# Altium PCB Spectre.PcbDoc (part 2 of 2)
Units mm, origin at the board's own origin, x right, y up, seen from the top; angles counter-clockwise.
Board outline 94.09 x 51.29 mm, 4 copper layers (Top Layer, GND, PWR, Bottom Layer), stack 1.641 mm thick; 154 components, 117 nets, 483 pads, 271 vias.
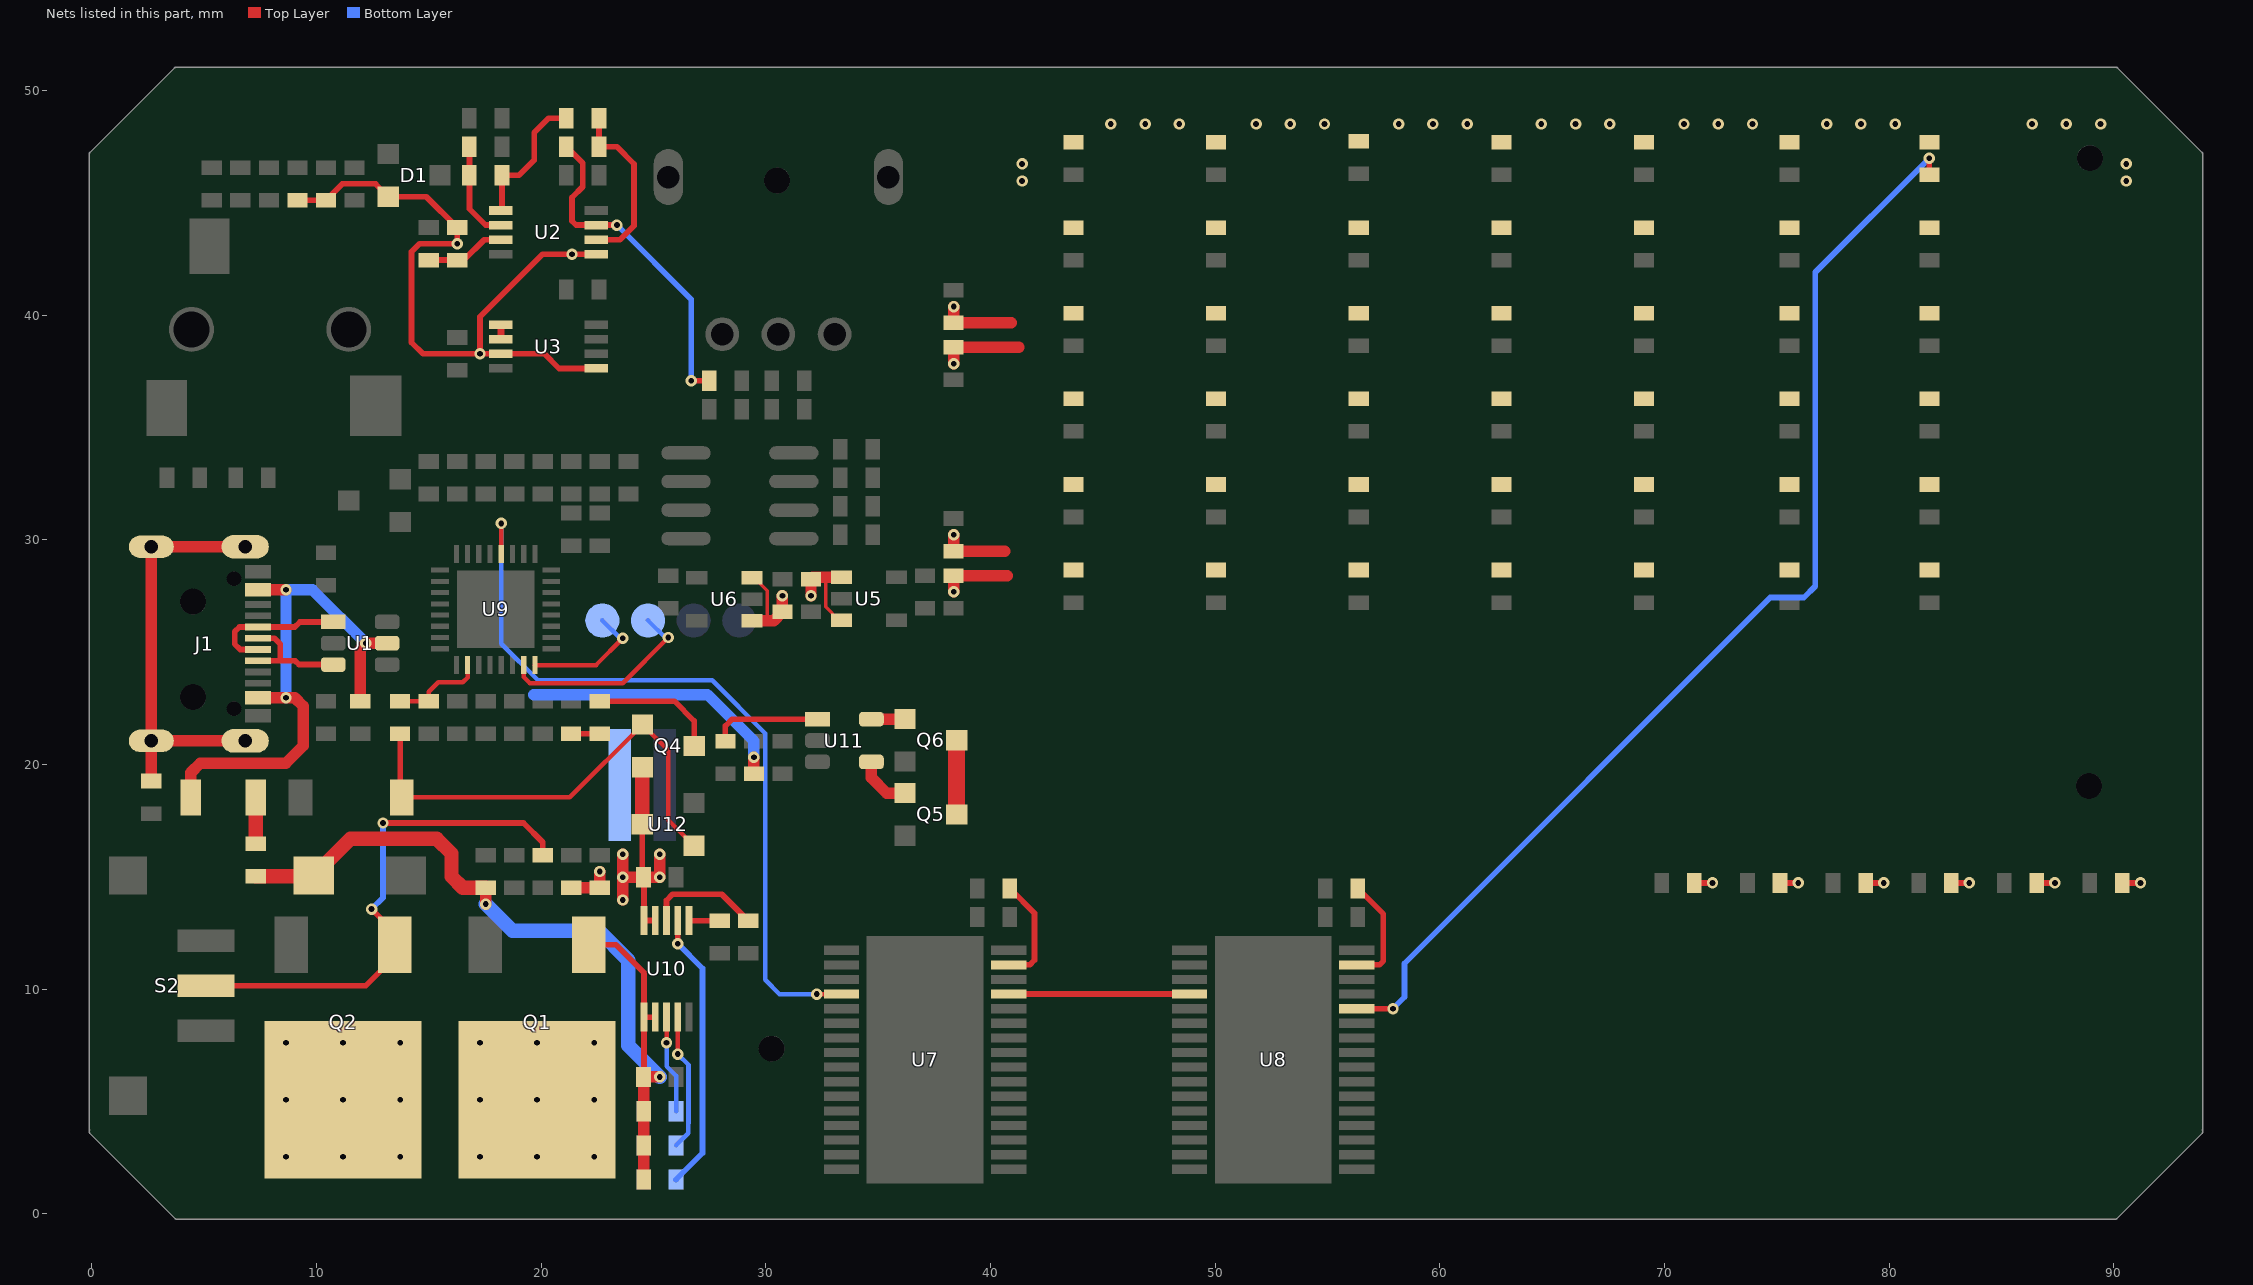
[diagram p4: the nets of this part, all layers, seen from the top]

## Via types
v1: diameter 0.508, hole 0.254, Top Layer to Bottom Layer, tented both sides, 253 vias
v2: diameter 0.508, hole 0.254, Top Layer to Bottom Layer, tented bottom, 18 vias

## Nets (pads, with @x,y where several pads share a name; then routed paths per layer and width w, separated by ;. In a path a pad name is that pad's centre, name@x,y a point inside that pad or via, vN(x,y) a via of type N, cw(c..) or ccw(c..) an arc to the next point about the centre after c; other vN are vias at no path point) (continued)
NetD61_2: D61.2 U8.28 | length 51
  Top Layer w0.254: U8.28@56.298,9.133 v1(57.912,9.133) ; D61.2@81.788,46.258 v1(81.788,46.99)
  Bottom Layer w0.254: v1(57.912,9.133) 57.912,9.144 58.42,9.652 58.42,11.147 74.705,27.432 76.2,27.432 76.708,27.94 76.708,41.91 v1(81.788,46.99)
NetD62_1: D62.1 R34.1 | length 1.3
  Top Layer w0.254: D62.1@21.32,21.38 21.327,21.373 R34.1@22.606,21.373
NetF1_2: F1.2 FB1.1 | length 2.1
  Top Layer w0.635: FB1.1@7.292,16.473 F1.2@7.292,18.542
NetJ1_1: J1.1 J1.2 J1.3 J1.4 R16.2 | length 18.8
  Top Layer w0.508: R16.2@2.642,19.267 J1.3@2.642,21.055 ; J1.4@6.822,21.055 J1.3@2.642,21.055 ; J1.1@6.822,29.695 J1.2@2.642,29.695 J1.3@2.642,21.055
NetQ2_1: Q2.1 R20.1 S2.2 | length 22.6
  Top Layer w0.254: S2.2@5.08,10.16 12.192,10.16 13.476,11.444 Q2.1@13.476,11.98 ; v1(12.446,13.567) 13.138,12.875 Q2.1@13.138,12.824 ; v1(12.954,17.399) 19.211,17.399 20.066,16.544 R20.1@20.066,15.965
  Bottom Layer w0.254: v1(12.446,13.567) 12.954,14.075 v1(12.954,17.399)
NetQ4_2: Q4.2 R34.2 | length 5.7
  Top Layer w0.254: R34.2@22.606,22.823 25.925,22.823 26.804,21.944 Q4.2@26.804,20.828
NetQ5_1: Q5.1 U11.4 | length 2.5
  Top Layer w0.508: U11.4@34.694,20.119 34.694,19.408 35.372,18.73 Q5.1@36.188,18.73
NetQ5_2: Q5.2 Q6.2 | length 3.3
  Top Layer w0.75: Q5.2@38.488,17.78 Q6.2@38.488,21.082
NetQ6_1: Q6.1 U11.5 | length 1.5
  Top Layer w0.508: U11.5@34.694,22.019 36.175,22.019 Q6.1@36.188,22.032
NetR2_1: R2.1 R3.2 U2.2 | length 4.5
  Top Layer w0.254: R2.1@16.801,47.498 R3.2@16.801,46.228 16.801,44.734 17.522,44.013 U2.2@18.2,44.013
NetR3_1: R3.1 R11.2 U2.1 | length 6.2
  Top Layer w0.254: U2.1@18.2,44.663 18.251,44.714 R3.1@18.251,46.228 19.008,46.228 19.685,46.905 19.685,48.133 20.32,48.768 R11.2@21.119,48.768
NetR6_1: R6.1 R7.2 U2.7 | length 15
  Top Layer w0.254: R6.1@21.119,47.498 21.844,46.773 21.844,45.72 21.367,45.243 21.367,44.196 21.55,44.013 U2.7@22.44,44.013 v1(23.368,44.013) ; v1(26.67,37.084) R7.2@27.469,37.084
  Bottom Layer w0.254: v1(23.368,44.013) 26.67,40.711 v1(26.67,37.084)
NetR6_2: R6.2 R11.1 U2.6 | length 7.8
  Top Layer w0.254: U2.6@22.44,43.363 23.505,43.363 24.13,43.988 24.13,46.736 23.368,47.498 R6.2@22.569,47.498 R11.1@22.569,48.768
NetR8_1: R8.1 R13.1 U2.3 | length 3.6
  Top Layer w0.254: R13.1@14.986,42.455 R8.1@16.256,42.455 16.552,42.455 17.46,43.363 U2.3@18.2,43.363
NetR26_1: R26.1 U10.3 | length 4.4
  Top Layer w0.203: v1(25.575,7.62) U10.3@25.575,8.758
  Bottom Layer w0.203: v1(25.575,7.62) 25.575,6.566 25.998,6.143 R26.1@25.998,4.572
NetR27_1: R27.1 U10.4 | length 6.2
  Top Layer w0.203: v1(26.075,7.112) 26.058,7.129 26.075,7.147 U10.4@26.075,8.758
  Bottom Layer w0.203: R27.1@25.998,3.048 26.547,3.597 26.547,4.022 26.552,4.027 26.552,6.635 v1(26.075,7.112)
NetR28_1: R28.1 U10.8 | length 5.1
  Top Layer w0.254: U10.8@25.575,13.058 25.575,13.956 25.843,14.224 28.03,14.224 R28.1@29.21,13.044
NetR29_1: R29.1 U10.7 | length 12.5
  Top Layer w0.254: v1(26.075,12.03) U10.7@26.075,13.058
  Bottom Layer w0.254: R29.1@25.998,1.524 27.178,2.704 27.178,10.927 v1(26.075,12.03)
NetR30_1: R30.1 U10.6 | length 1.4
  Top Layer w0.254: U10.6@26.575,13.058 26.589,13.044 R30.1@27.94,13.044
NetR32_2: R32.2 U7.31 | length 4.9
  Top Layer w0.254: U7.31@40.804,11.083 41.741,11.083 41.953,11.294 41.953,13.382 R32.2@40.857,14.478
NetR33_2: R33.2 U8.31 | length 4.9
  Top Layer w0.254: U8.31@56.298,11.083 57.311,11.083 57.485,11.257 57.485,13.344 R33.2@56.351,14.478
NetR35_1: R35.1 U11.1 | length 4.9
  Top Layer w0.254: R35.1@28.194,21.045 28.194,21.721 28.492,22.019 U11.1@32.294,22.019
NetU3_1: U3.1 U3.2 | length 0.7
  Top Layer w0.305: U3.2@18.2,38.933 U3.1@18.2,39.583
RESET: C20.2 R25.1 U9.26 | length 4.3
  Top Layer w0.203: R25.1@13.702,22.823 C20.2@14.986,22.823 14.986,23.241 15.412,23.667 16.51,23.667 16.719,23.876 U9.26@16.719,24.429
RST_IN: Q4.1 R25.2 S1.2 U12.1 | length 21.3
  Top Layer w0.203: S1.2@13.702,18.622 S1.2@13.782,18.542 21.268,18.542 Q4.1@24.504,21.778 25.652,20.63 25.652,17.533 U12.1@26.797,16.388
  Top Layer w0.254: S1.2@13.702,18.622 13.716,18.636 R25.2@13.716,21.373
SER_D0: U7.4 U9.12 | length 34.7
  Top Layer w0.203: U9.12@18.219,29.379 v1(18.219,30.734) ; v1(32.258,9.783) U7.4@33.364,9.783
  Bottom Layer w0.203: v1(18.219,30.734) 18.219,25.381 19.851,23.749 27.604,23.749 29.972,21.381 29.972,10.414 30.603,9.783 v1(32.258,9.783)
SER_D1: U7.29 U8.4 | length 8.1
  Top Layer w0.254: U7.29@40.804,9.783 U8.4@48.858,9.783
SWCLK: pad.2@24.75,26.414 U9.31 | length 9.1
  Top Layer w0.203: U9.31@19.219,24.429 19.219,23.898 19.495,23.622 23.622,23.622 v1(25.654,25.654)
  Bottom Layer w0.203: pad.2@24.75,26.414 25.51,25.654 v1(25.654,25.654)
SWDIO: pad.2@22.718,26.414 U9.32 | length 5.7
  Top Layer w0.203: U9.32@19.719,24.429 22.437,24.429 v1(23.632,25.625)
  Bottom Layer w0.203: pad.2@22.718,26.414 23.507,25.625 v1(23.632,25.625)
USB_D_MINUS: J1.A7 J1.B7 U1.1 | length 6.3
  Top Layer w0.254: J1.A7@7.397,25.125 6.597,25.125 6.35,25.372 6.35,25.908 6.567,26.125 J1.B7@7.397,26.125 9.029,26.125 9.255,26.35 U1.1@10.738,26.35
USB_D_PLUS: J1.A6 J1.B6 U1.3 | length 5.3
  Top Layer w0.254: J1.B6@7.397,24.625 8.382,24.625 ; J1.A6@7.397,25.625 8.128,25.625 8.382,25.371 8.382,24.625 ; U1.3@10.738,24.45 9.217,24.45 9.043,24.625 8.382,24.625
USB_VDD: D5.2 F1.1 J1.A4_B9 J1.B4_A9 U1.5 | length 24.7
  Top Layer w0.508: F1.1@4.392,18.542 4.392,19.632 4.826,20.066 8.636,20.066 9.398,20.828 9.398,22.606 9.029,22.975 v1(8.636,22.975) J1.B4_A9@7.397,22.975 ; J1.A4_B9@7.397,27.775 v1(8.636,27.775) ; D5.2@11.938,22.823 11.938,25.146 v1(12.192,25.4) U1.5@13.138,25.4
  Bottom Layer w0.508: v1(8.636,22.975) v1(8.636,27.775) 9.817,27.775 v1(12.192,25.4)
V_REF: D1.2 R1.2 R5.1 R8.2 U2.5 U3.3 U3.5 | length 31.8
  Top Layer w0.254: R1.2@9.144,45.122 R5.1@10.414,45.122 11.139,45.847 12.625,45.847 D1.2@13.194,45.278 14.883,45.278 R8.2@16.256,43.905 v1(16.256,43.18) 14.577,43.18 14.224,42.827 14.224,38.791 14.732,38.283 v1(17.272,38.283) ; U3.5@22.44,37.633 20.795,37.633 20.145,38.283 U3.3@18.2,38.283 v1(17.272,38.283) ; U2.5@22.44,42.713 v1(21.367,42.713) 20.054,42.713 17.272,39.931 v1(17.272,38.283)
V_UNREG: C12.2 C18.2 C22.2 C23.2 C25.2 C26.2 D4.2 D11.1 D12.1 D13.1 D14.1 D15.1 D16.1 D17.1 D18.1 D19.1 D20.1 D22.1 D23.1 D24.1 D25.1 D26.1 D27.1 D29.1 D30.1 D31.1 D32.1 D34.1 D35.1 D36.1 D37.1 D38.1 D39.1 D40.1 D41.1 D42.1 D43.1 D44.1 D45.1 D46.1 D47.1 D48.1 D49.1 D50.1 D51.1 D52.1 D53.1 D54.1 D55.1 D56.1 D57.1 D58.1 D59.1 D60.1 D61.1 Q2.2 R22.2 U5.1 U5.3 U6.1 U6.3 | length 28.8
  Top Layer w0.152: U6.3@29.376,28.306 29.488,28.306 30.054,27.74 30.054,26.488 29.972,26.406 ; 32.726,28.331 32.657,28.262 32.657,27.023 33.25,26.431 U5.3@33.362,26.431
  Top Layer w0.254: D49.1@71.33,14.732 v1(72.136,14.732) ; D47.1@75.14,14.732 v1(75.946,14.732) ; D45.1@78.95,14.732 v1(79.756,14.732) ; D43.1@82.76,14.732 v1(83.566,14.732) ; D41.1@86.57,14.732 v1(87.376,14.732) ; D39.1@90.38,14.732 v1(91.186,14.732)
  Top Layer w0.508: R22.2@21.32,14.499 R22.2@21.336,14.515 D4.2@22.606,14.515 v1(22.606,15.24) ; U6.1@29.376,26.406 29.972,26.406 30.346,26.406 C18.2@30.734,26.794 v1(30.734,27.519) ; v1(32.004,27.519) C12.2@32.004,28.244 32.091,28.331 32.726,28.331 U5.1@33.362,28.331 ; v1(38.354,27.686) C22.2@38.354,28.411 40.737,28.411 ; v1(38.354,30.226) C23.2@38.354,29.501 40.63,29.501 ; v1(38.354,37.846) C26.2@38.354,38.571 41.266,38.571 ; v1(38.354,40.386) C25.2@38.354,39.661 40.923,39.661
  other v1: 41.402,45.974 90.551,45.974 41.402,46.736 90.551,46.736 45.354,48.514 46.878,48.514 48.402,48.514 51.816,48.514 53.34,48.514 54.864,48.514 58.166,48.514 59.69,48.514 61.214,48.514 64.516,48.514 66.04,48.514 67.564,48.514 70.866,48.514 72.39,48.514 73.914,48.514 77.216,48.514 78.74,48.514 80.264,48.514 86.36,48.514 87.884,48.514 89.408,48.514
  other v2: 8.636,2.54 11.176,2.54 13.716,2.54 8.636,5.08 11.176,5.08 13.716,5.08 8.636,7.62 11.176,7.62 13.716,7.62
VBAT: C27.2 J3.1 Q1.2 Q4.3 R31.2 U10.9 U10.10 U12.3 | length 24.2
  Top Layer w0.254: U12.3@24.497,17.338 24.497,15.037 C27.2@24.548,14.986 24.575,14.959 U10.10@24.575,13.058 U10.9@25.075,13.058
  Top Layer w0.508: v1(23.622,13.97) v1(23.622,14.986) ; v1(23.622,16.002) v1(23.622,14.986) ; Q4.3@24.497,19.885 Q4.3@24.504,19.878 ; v1(25.273,16.002) v1(25.273,14.986) C27.2@24.548,14.986 v1(23.622,14.986) ; R31.2@29.464,19.595 v1(29.464,20.32)
  Top Layer w0.635: U12.3@24.497,17.338 24.497,19.871 Q4.3@24.504,19.878
  Bottom Layer w0.508: 19.66,23.114 27.395,23.114 29.464,21.045 v1(29.464,20.32)
  other v2: 17.272,2.54 19.812,2.54 22.352,2.54 17.272,5.08 19.812,5.08 22.352,5.08 17.272,7.62 19.812,7.62 22.352,7.62
VBUS: C28.2 D7.1 D21.1 D28.1 D33.1 FB1.2 Q1.1 R21.2 U10.1 U10.2 | length 39.7
  Top Layer w0.254: Q1.1@22.112,11.98 23.326,11.98 24.575,10.731 U10.1@24.575,8.758 ; C28.2@24.548,6.096 24.575,6.123 U10.1@24.575,8.758 ; U10.2@25.075,8.758 U10.1@24.575,8.758
  Top Layer w0.508: v1(17.526,13.79) R21.2@17.526,14.515 ; D33.1@24.555,1.524 D28.1@24.555,3.048 D21.1@24.555,4.572 24.555,6.089 C28.2@24.548,6.096 v1(25.273,6.096)
  Top Layer w0.635: FB1.2@7.292,15.023 9.833,15.023 D7.1@9.87,15.06 11.51,16.699 15.341,16.699 16.002,16.039 16.002,15.015 16.502,14.515 R21.2@17.526,14.515
  Bottom Layer w0.635: v1(17.526,13.79) 18.716,12.6 22.569,12.6 23.876,11.293 23.876,7.493 v1(25.273,6.096)
pads on no net: J1. J1.A8 J1.B8 J2. J2.2 R4. S2.3 S2.P$1 S2.P$2 U8.29 U9.4 U9.6 U9.10 U9.14 U9.15 U9.16 U9.17 U9.19 U9.20 U9.21 U9.22 U9.25 U9.27 U9.28

## Polygon pours and split planes (outlines as drawn)
GND on Bottom Layer "GND Bottom Layer" (solid, pour order 25): -0.09,3.581 cw(c0,3.671) -0.107,3.741 cw(c0,3.81) -0.127,3.81 -0.127,47.157 cw(c0,47.157) -0.09,47.247 3.671,51.008 3.67,51.007 cw(c3.761,50.918) 3.761,51.045 90.074,51.045 cw(c90.074,50.918) 90.165,51.007 90.164,51.008 93.925,47.247 cw(c93.835,47.157) 93.962,47.157 93.962,3.81 cw(c93.835,3.81) 93.942,3.741 cw(c93.835,3.671) 93.962,3.671 cw(c93.835,3.671) 93.925,3.581 90.136,-0.208 90.136,-0.207 cw(c90.046,-0.118) 90.046,-0.245 3.803,-0.245 cw(c3.803,-0.118) 3.796,-0.245 cw(c3.789,-0.118) 3.699,-0.208
VBAT on Bottom Layer "Bottom Layer-VBAT" (solid, remove dead copper, pour order 4): 24.892,21.721 24.892,23.368 15.052,23.368 13.208,21.524 13.208,9.398 15.24,7.366 15.24,0 29.21,0 29.21,15.24 27.076,15.24 25.806,16.51 24.892,16.51
BAT- on Bottom Layer "Bottom Layer-BAT-" (solid, remove dead copper, pour order 6): 24.892,22.86 24.929,22.823 27.395,22.823 27.395,22.766 29.21,20.951 29.21,15.24 27.076,15.24 25.806,16.51 24.892,16.51
V_UNREG on PWR "PWR-V_UNREG" (solid, remove dead copper, pour order 16): 3.852,0 0.042,3.81 0.042,19.812 22.538,19.812 25.549,22.823 29.742,22.823 29.742,50.8 89.801,51.007 93.835,47.157 93.962,3.544 90.165,0
3.3VA on PWR "PWR-3.3VA" (solid, remove dead copper, pour order 10): 0.042,34.036 21.669,34.036 22.011,33.694 22.011,30.909 23.455,29.465 33.052,29.465 33.744,28.773 33.744,25.4 38.1,25.4 38.1,50.8 3.671,50.827 3.81,50.758 0.299,47.247
3.3VD on PWR "PWR-3.3VD" (solid, remove dead copper, pour order 12): 0.042,34.036 29.742,34.036 29.742,22.823 25.549,22.823 22.538,19.812 0.042,19.812
GND on Top Layer "GND Top Layer" (solid, remove dead copper, pour order 24): -0.09,3.581 cw(c0,3.671) -0.107,3.741 cw(c0,3.81) -0.127,3.81 -0.127,47.157 cw(c0,47.157) -0.09,47.247 3.671,51.008 3.67,51.007 cw(c3.761,50.918) 3.761,51.045 90.074,51.045 cw(c90.074,50.918) 90.165,51.007 90.164,51.008 93.925,47.247 cw(c93.835,47.157) 93.962,47.157 93.962,3.81 cw(c93.835,3.81) 93.942,3.741 cw(c93.835,3.671) 93.962,3.671 cw(c93.835,3.671) 93.925,3.581 90.136,-0.208 90.136,-0.207 cw(c90.046,-0.118) 90.046,-0.245 3.803,-0.245 cw(c3.803,-0.118) 3.796,-0.245 cw(c3.789,-0.118) 3.699,-0.208
V_UNREG on Top Layer "Top Layer-V_UNREG" (solid, remove dead copper, pour order 20): 40.005,46.863 42.545,49.403 89.408,49.403 91.948,46.863 91.948,18.415 89.408,15.875 42.545,15.875 40.005,18.415
GND on GND "GND Plane" (solid, remove dead copper, pour order 23): -0.09,3.581 cw(c0,3.671) -0.107,3.741 cw(c0,3.81) -0.127,3.81 -0.127,47.157 cw(c0,47.157) -0.09,47.247 3.671,51.008 3.67,51.007 cw(c3.761,50.918) 3.761,51.045 90.074,51.045 cw(c90.074,50.918) 90.165,51.007 90.164,51.008 93.925,47.247 cw(c93.835,47.157) 93.962,47.157 93.962,3.81 cw(c93.835,3.81) 93.942,3.741 cw(c93.835,3.671) 93.962,3.671 cw(c93.835,3.671) 93.925,3.581 90.136,-0.208 90.136,-0.207 cw(c90.046,-0.118) 90.046,-0.245 3.803,-0.245 cw(c3.803,-0.118) 3.796,-0.245 cw(c3.789,-0.118) 3.699,-0.208

## Other copper
Bottom Layer:
  region: 25.017,16.699

## Silkscreen, mask and mechanical layers (free items; w line width, h text height)
Top Overlay:
  lines w0.254: 40.005,20.955 40.005,18.415 42.545,15.875 45.085,15.875 ; 40.005,25.4 40.005,39.045 ; 40.005,44.323 40.005,46.863 42.545,49.403 45.085,49.403 ; 50.8,49.403 62.23,49.403 ; 69.85,49.403 81.28,49.403 ; 86.995,15.875 89.535,15.875 92.075,18.415 92.075,20.955 ; 86.995,49.403 89.535,49.403 92.075,46.863 92.075,44.323 ; 92.075,25.4 92.075,39.045
  text "+5" at 83.566,45.974 h2.54
  text "+4" at 83.566,42.291 h2.54
  text "+3" at 83.566,38.481 h2.54
  text "+2" at 83.566,34.791 h2.54
  text "Intensity" at 89.408,32.041 h2.54 r90
  text "+1" at 83.566,30.734 h2.54
  text "+0" at 83.566,26.924 h2.54
  text "LOW / BAT" at 21.701,23.368 h1.27
  text "1 kHz" at 63.5,20.085 h2.54 r90
  text "16 kHz" at 82.55,18.821 h2.54 r90
  text "160 Hz" at 50.8,18.694 h2.54 r90
  text "400 Hz" at 57.15,18.474 h2.54 r90
  text "2.5 kHz" at 69.85,18.009 h2.54 r90
  text "62.5 Hz" at 44.45,17.901 h2.54 r90
  text "6.25 kHz" at 76.2,16.764 h2.54 r90
  text "Volume" at 60.96,14.097 h2.54
  text "BAT CHG" at 26.924,4.064 h0.76
  text "BAT EOC" at 27.11,2.667 h0.76
  text "VBUS PG" at 27.11,1.143 h0.76
Bottom Overlay:
  drawing of 238 lines, arcs and shapes, not listed
  text "JLCJLCJLCJLC" at 91.44,44.323 h1 r90
  text "SWDIO" at 22.21,27.684 h1.02 r270
  text "SWCLK" at 24.187,27.684 h1.02 r270
  text "3.3VD" at 26.274,27.684 h1.02 r270
  text "GND" at 28.306,27.684 h1.02 r270
  text "Pb" at 6.32,4.318 h2.03
Top Solder:
  rectangle: 63.754,6.35 66.548,7.112
  rectangle: 84.328,1.27 87.122,2.032
  rectangle: 84.328,2.286 87.122,3.048
  rectangle: 84.328,3.302 87.122,4.064
  rectangle: 84.328,4.318 87.122,5.08
  rectangle: 80.01,1.27 82.804,2.032
  rectangle: 80.01,2.286 82.804,3.048
  rectangle: 80.01,3.302 82.804,4.064
  rectangle: 80.01,4.318 82.804,5.08
  rectangle: 80.01,5.334 82.804,6.096
  rectangle: 75.946,1.27 78.74,2.032
  rectangle: 75.946,2.286 78.74,3.048
  rectangle: 75.946,3.302 78.74,4.064
  rectangle: 71.882,1.27 74.676,2.032
  rectangle: 71.882,2.286 74.676,3.048
  rectangle: 71.882,3.302 74.676,4.064
  rectangle: 71.882,4.318 74.676,5.08
  rectangle: 67.818,1.27 70.612,2.032
  rectangle: 67.818,2.286 70.612,3.048
  rectangle: 63.754,1.27 66.548,2.032
  rectangle: 63.754,2.286 66.548,3.048
  rectangle: 63.754,3.302 66.548,4.064
  rectangle: 63.754,4.318 66.548,5.08
  rectangle: 63.754,5.334 66.548,6.096
  rectangle: 59.69,3.302 62.484,4.064
  rectangle: 59.69,2.286 62.484,3.048
  rectangle: 59.69,1.27 62.484,2.032
  region: 80.886,10.536 78.6,10.536 79.743,12.568
  region: 83.426,10.536 81.14,10.536 82.283,12.568
  region: 82.474,12.568 84.76,12.568 83.617,10.536
  region: 77.267,12.568 79.553,12.568 78.41,10.536
  text "Spectre" at 63.246,10.922 h2.03
  text "Graphical Music Visualizer" at 61.214,8.763 h1.02
Bottom Solder:
  text "Spectre - Rev B / Audio Spectrum Analyzer / Designed by Kyler Kidd / 01/18/22" at 90.046,1.125 h1.27
Mechanical 1:
  lines w0.254: 0,3.81 0,47.157 3.761,50.918 90.074,50.918 93.835,47.157 93.835,3.81 ; 0,5.08 0,3.671 3.789,-0.118 3.803,-0.118 68.462,-0.118 ; 67.31,-0.118 90.046,-0.118 93.835,3.671
ASSY_TOP:
  drawing of 338 lines, arcs and shapes, not listed
  text "SH" at 392.003,298.663 h2.54
  text "DWG NO" at 316.851,298.248 h2.54
  text ".DocNumber" at 333.502,295.408 h3.05
  text "2" at -205.493,294.92 h5.08
  text "4" at 10.58,294.92 h5.08
  text "8" at 434.938,294.92 h5.08
  text "1" at -313.221,294.76 h5.08
  text "3" at -97.499,294.76 h5.08
  text "5" at 118.579,294.76 h5.08
  text "6" at 226.526,294.76 h5.08
  text "1" at 397.002,294.392 h3.05
  text "REVISION HISTORY" at 343.154,288.013 h2.54
  text "REV" at 318.77,281.946 h2.54
  text "DESCRIPTION" at 364.49,281.946 h2.54
  text "DATE" at 422.91,281.946 h2.54
  text "APPROVED" at 453.39,281.946 h2.54
  text ".Hist1Rev" at 319.675,277.345 h2.54
  text ".Hist1Desc" at 331.47,276.866 h2.54
  text ".Hist1Date" at 415.29,276.866 h2.54
  text ".Hist1Appr" at 445.77,276.866 h2.54
  text "NOTES" at -326.39,275.59 h10.16
  text ".Hist2Rev" at 319.675,271.732 h2.54
  text ".Hist2Desc" at 331.47,271.252 h2.54
  text ".Hist2Date" at 415.29,271.252 h2.54
  text ".Hist2Appr" at 445.77,271.252 h2.54
  text "1. DIMENSIONING AND TOLERANCING PER ASME Y14.5M-1994" at -326.39,267.97 h5.08
  text ".Hist3Rev" at 319.675,266.144 h2.54
  text ".Hist3Desc" at 331.47,265.664 h2.54
  text ".Hist3Date" at 415.29,265.664 h2.54
  text ".Hist3Appr" at 445.77,265.664 h2.54
  text "2. INTERPRET PER ASME Y14.100M" at -326.39,260.35 h5.08
  text "3. ASSEMBLE PER IPC-A-610, CLASS 2" at -326.39,252.73 h5.08
  text "4. SOLDER PER J-STD-001, CLASS 2. USE LEAD-FREE SOLDER" at -326.39,245.11 h5.08
  text "5. ALL PARTS SHOWN MAY NOT BE INSTALLED. FOR SCHEMATIC, SEE SEPARATE PARTS LIST" at -326.39,237.49 h5.08
  text "A" at -355.29,231.255 h5.08
  text "A" at 482.997,231.255 h5.08
  text "6. DATA INCLUDED IN PARENTHESIS IS FOR REFERENCE ONLY" at -326.39,229.87 h5.08
  text "7. FOR COMPONENTS WITH REFERENCE DESIGNATORS, REFER TO PARTS LIST BY REFERENCE DESIGNATION" at -326.39,222.25 h5.08
  text "8. ELECTROSTATIC DISCHARGE CONTROL PROGRAM FOR PROTECTION OF ELECTRICAL AND ELECTRONIC" at -326.39,214.63 h5.08
  text "PARTS, ASSEMBLIES, AND EQUIPMENT SHALL BE PER IPC-610 OR BETTER" at -326.39,207.01 h5.08
  text "9. THE PCB MATERIAL MANUFACTURER'S RECOMMENDATIONS FOR PCB MATERIAL STORAGE, PRE-PROCESS" at -326.39,199.39 h5.08
  text "BAKEOUT, PROCESSING AND MATERIAL HANDLING SHALL BE STRICTLY FOLLOWED DURING ALL ASSEMBLY" at -321.31,191.77 h5.08
  text "PROCESSES. DEVIATION FROM THESE STANDARDS REQUIRES WRITTEN AUTHORIZATION FROM OCEAN OPTICS, INC" at -321.31,184.15 h5.08
  text "10. MARK LAST 3 DIGITS OF DRAWING NUMBER (-XXX) IN A CLEAR AND LEGIBLE MANNER USING POLYIMIDE BRADY LABEL" at -328.93,176.53 h5.08
  text "11. MARK DOCUMENT REVISION IN A CLEAR AND LEGIBLE MANNER USING POLYIMIDE BRADY LABEL" at -328.93,168.91 h5.08
  text "12. ALL PROCESSES AND PROCEDURES SHALL BE ROHS COMPLIANT" at -328.93,161.29 h5.08
  text "13. COMPLETED CIRCUIT CARD ASSEMBLIES SHALL BE PACKAGED INDIVIDUALLY" at -328.93,153.67 h5.08
  text "IN STATIC SHIELDING PACKAGING IN ACCORDANCE WITH ANSI/ESD-S-20.20" at -321.31,146.05 h5.08
  text "B" at -355.34,91.395 h5.08
  text "B" at 482.947,91.395 h5.08
  text "C" at -354.755,-48.078 h5.08
  text "C" at 483.531,-48.078 h5.08
  text "SEE SEPARATE PARTS LIST." at 214.376,-166.872 h10.16
  text "DFTG" at 255.27,-175.791 h2.54
  text ".NameDftg" at 268.478,-175.791 h2.54
  text ".DateDftg" at 308.102,-175.791 h2.54
  text "UNLESS OTHERWISE SPECIFIED," at 200.406,-180.109 h2.03
  text "MATERIAL:" at 137.236,-180.334 h2.54
  text "ENG" at 255.27,-182.395 h2.54
  text ".NameEng" at 268.478,-182.395 h2.54
  text ".DateEng" at 308.102,-182.395 h2.54
  text "INCHES" at 236.474,-183.636 h2.03
  text "DIMENSIONS ARE IN" at 200.406,-183.665 h2.03
  text "D" at -355.008,-187.777 h5.08
  text "D" at 483.279,-187.777 h5.08
  text "MECH" at 255.27,-187.983 h2.54
  text "*" at 268.478,-188.491 h2.54
  text "*" at 308.102,-188.491 h2.54
  text "TITLE:" at 347.08,-190.523 h2.54
  text "TOLERANCES:" at 200.406,-191.539 h2.54
  text "SEE NOTES" at 139.065,-193.542 h2.54
  text "MFG" at 255.27,-194.587 h2.54
  text "*" at 268.478,-194.587 h2.54
  text "*" at 308.102,-195.095 h2.54
  text ".X +/- 0.1" at 201.422,-196.111 h2.54
  text ".XX +/- 0.01" at 201.422,-199.159 h2.54
  text ".TitleCCA" at 353.695,-199.511 h5.59
  text ".XXX +/- 0.001" at 201.422,-202.207 h2.54
  text ".Title0" at 393.04,-209.169 h5.59
  text "THIRD ANGLE PROJECTION" at 138.684,-213.761 h2.54
  text "ALL SHEETS ARE THE" at 204.978,-217.859 h2.54
  text ".Title1" at 350.52,-218.44 h5.59
  text "SAME REVISION STATUS" at 202.629,-222.431 h2.54
  text "SIZE" at 347.218,-225.575 h2.54
  text "DRAWING NUMBER" at 356.87,-225.575 h2.54
  text "REV" at 463.942,-227.125 h3.05
  text "D" at 347.26,-233.416 h5.08
  text ".DocNumber" at 356.87,-233.674 h6.6
  text ".Rev" at 463.55,-233.674 h5.08
  text "1" at 448.31,-238.754 h2.54
  text "2" at 463.55,-238.754 h2.54
  text "1:1" at 360.68,-239.008 h2.54
  text "SCALE" at 346.654,-239.183 h2.54
  text "SHEET   OF" at 432.561,-239.398 h2.54
  text "8" at 440.436,-249.93 h5.08
  text "1" at -313.055,-250.184 h5.08
  text "2" at -205.493,-251.178 h5.08
  text "4" at 10.58,-251.178 h5.08
  text "3" at -97.499,-251.338 h5.08
  text "5" at 118.579,-251.338 h5.08
  text "6" at 226.526,-251.338 h5.08
  text "7" at 334.5,-251.338 h5.08
Drill Drawing:
  lines w0.381: -286.218,-181.604 -286.218,-173.984 ; -268.493,-181.604 -268.493,-173.984 ; -234.315,-181.604 -234.315,-173.984 ; -221.466,-181.604 -221.466,-173.984 ; -300.21,-181.604 -201.684,-181.604 -201.684,-173.984 -300.21,-173.984 -300.21,-181.604 ; -300.21,-177.794 -201.684,-177.794 -300.21,-177.794
  text "Symbol" at -297.924,-176.651 h1.83
  text "Hit Count" at -285.075,-176.651 h1.83
  text "Finished Hole Size" at -267.35,-176.651 h1.83
  text "Plated" at -233.172,-176.651 h1.83
  text "Hole Type" at -220.323,-176.651 h1.83
ASSY_BOT:
  lines w0.198: -336.412,281.438 -176.697,281.438 ; -336.412,286.518 -176.697,286.518 ; -303.316,281.565 -303.311,292.103 ; -270.677,281.057 -270.677,292.106 ; -189.397,275.723 -189.397,292.106 ; -361.95,-253.797 -361.95,304.806 ; -361.95,-253.797 501.483,-253.797 ; -361.95,-253.797 501.483,-253.797 ; -361.95,-253.797 -361.95,304.806 ; -361.95,304.806 501.483,304.806 ; -361.95,304.806 501.483,304.806 ; 501.483,-253.797 501.483,304.806 ; 501.483,-253.797 501.483,304.806
  lines w0.599: -355.782,-107.947 -336.732,-107.947 ; -355.782,165.102 -336.732,165.102 ; -336.732,292.101 -336.732,-241.297 ; -336.732,-222.247 -206.684,-222.247 ; -321.721,-234.947 -321.721,-222.247 ; -292.282,-241.297 -292.282,-234.947 ; -254.182,-250.822 -254.182,-241.297 ; -206.685,-241.167 -206.685,-222.628 ; -176.819,275.088 -176.819,292.103 ; -146.233,-250.822 -146.233,-241.297 ; -146.233,292.101 -146.233,301.626 ; -38.283,-250.822 -38.283,-241.297 ; -38.283,292.101 -38.283,301.626 ; 177.617,-250.822 177.617,-241.297 ; 177.617,292.101 177.617,301.626 ; 285.567,-250.822 285.567,-241.297 ; 393.516,-250.822 393.516,-241.297 ; 393.516,292.101 393.516,301.626 ; 476.066,165.102 495.116,165.102 ; 476.066,292.103 -336.745,292.103 ; 476.701,-107.947 495.751,-107.947 ; -336.745,292.103 -336.745,271.626 -336.745,292.103 ; -336.732,-241.297 476.066,-241.297 ; -336.732,-241.297 476.066,-241.297 ; -336.732,-241.297 476.066,-241.297 ; -336.732,-241.297 476.066,-241.297 ; -336.732,-234.947 -206.684,-234.947 ; -336.732,-234.947 -206.684,-234.947 ; -336.732,-234.947 -206.684,-234.947 ; -336.732,-234.947 -206.684,-234.947 ; -264.342,292.101 -264.342,301.753 ; -264.342,292.101 -264.342,301.753 ; -264.342,292.101 -264.342,301.753 ; -264.342,292.101 -264.342,301.753 ; -264.342,292.101 -264.342,301.753 ; -264.342,292.101 -264.342,301.753 ; -264.342,292.101 -264.342,301.753 ; -264.342,292.101 -264.342,301.753 ; -264.342,301.753 -176.799,301.753 ; -264.342,301.753 -181.792,301.753 -264.342,301.753 ; -264.342,301.753 -176.799,301.753 ; -251.642,292.101 -251.642,301.753 ; -251.642,292.101 -251.642,301.753 ; -251.642,292.101 -251.642,301.753 ; -251.642,292.101 -251.642,301.753 ; -176.799,301.753 -176.799,292.101 -176.799,301.753 ; 285.567,292.101 285.567,301.626 ; 285.567,292.101 285.567,301.626 ; 285.567,292.101 285.567,301.626 ; 285.567,292.101 285.567,301.626 ; 476.066,-241.297 476.066,284.278 476.066,-241.297 ; 476.066,-241.297 476.066,292.101 ; 476.066,-241.297 476.066,292.101 ; 476.066,-241.297 476.066,292.101 ; -346.892,24.64 -346.892,26.164 -341.812,26.164 -341.812,27.942 -336.732,25.402 -341.812,22.862 -341.812,24.64 -346.892,24.64 ; 67.127,-246.377 69.667,-241.297 72.207,-246.377 70.429,-246.377 70.429,-251.457 68.905,-251.457 68.905,-246.377 67.127,-246.377 ; 67.127,297.181 69.667,292.101 72.207,297.181 70.429,297.181 70.429,302.26 68.905,302.26 68.905,297.181 67.127,297.181 ; 476.066,25.402 481.146,22.862 481.146,24.64 486.226,24.64 486.226,26.164 481.146,26.164 481.146,27.942 476.066,25.402
  text "SH" at -252.47,298.663 h2.54
  text "DWG NO" at -177.318,298.248 h2.54
  text ".DocNumber" at -193.969,295.408 h3.05
  text "8" at -295.405,294.92 h5.08
  text "4" at 128.953,294.92 h5.08
  text "2" at 345.026,294.92 h5.08
  text "6" at -86.993,294.76 h5.08
  text "5" at 20.954,294.76 h5.08
  text "3" at 237.032,294.76 h5.08
  text "3" at 237.032,294.76 h5.08
  text "1" at 452.754,294.76 h5.08
  text "1" at -257.469,294.392 h3.05
  text "REVISION HISTORY" at -203.621,288.013 h2.54
  text "APPROVED" at -313.857,281.946 h2.54
  text "DATE" at -283.377,281.946 h2.54
  text "DESCRIPTION" at -224.957,281.946 h2.54
  text "REV" at -179.237,281.946 h2.54
  text "SEE SHEET 1" at -191.937,276.866 h2.54
  text "A" at -343.464,231.255 h5.08
  text "A" at 494.823,231.255 h5.08
  text "B" at -343.414,91.395 h5.08
  text "B" at 494.873,91.395 h5.08
  text "C" at -343.998,-48.078 h5.08
  text "C" at 494.288,-48.078 h5.08
  text "D" at -343.746,-187.777 h5.08
  text "D" at 494.541,-187.777 h5.08
  text "REV" at -324.409,-227.125 h3.05
  text ".DocNumber" at -212.892,-232.404 h5.08
  text ".Rev" at -324.017,-233.674 h5.08
  text "2" at -324.017,-238.754 h2.54
  text "SHEET 2 OF" at -293.028,-239.398 h2.54
  text "8" at -300.903,-249.93 h5.08
  text "1" at 452.755,-250.184 h5.08
  text "4" at 128.953,-251.178 h5.08
  text "2" at 345.026,-251.178 h5.08
  text "7" at -194.967,-251.338 h5.08
  text "6" at -86.993,-251.338 h5.08
  text "5" at 20.954,-251.338 h5.08
  text "3" at 237.032,-251.338 h5.08
PCB_SHEET1:
  drawing of 1100 lines, arcs and shapes, not listed
  text "SH" at 392.003,298.657 h2.54
  text "DWG NO" at 316.851,298.243 h2.54
  text "DWG NO" at 316.851,298.248 h2.54
  text ".DocNumberPCB" at 333.502,295.402 h3.05
  text "2" at -205.493,294.914 h5.08
  text "4" at 10.58,294.914 h5.08
  text "8" at 434.938,294.914 h5.08
  text "1" at -313.221,294.754 h5.08
  text "3" at -97.499,294.754 h5.08
  text "5" at 118.579,294.754 h5.08
  text "6" at 226.526,294.754 h5.08
  text "1" at 397.002,294.386 h3.05
  text "REVISION HISTORY" at 343.154,288.008 h2.54
  text "REV" at 318.77,281.94 h2.54
  text "DESCRIPTION" at 364.49,281.94 h2.54
  text "DATE" at 422.91,281.94 h2.54
  text "APPROVED" at 453.39,281.94 h2.54
  text "11" at 21.59,278.13 h5.08
  text "5" at 31.242,278.13 h5.08
  text ".Hist1Rev" at 319.675,277.34 h2.54
  text "LAYER STACKUP:" at 41.402,276.86 h10.16
  text ".Hist1Desc" at 331.47,276.86 h2.54
  text ".Hist1Date" at 415.29,276.86 h2.54
  text ".Hist1Appr" at 445.77,276.86 h2.54
  text "NOTES" at -326.39,275.59 h10.16
  text ".Hist2Rev" at 319.675,271.777 h2.54
  text ".Hist2Desc" at 331.47,271.297 h2.54
  text ".Hist2Date" at 415.29,271.297 h2.54
  text ".Hist2Appr" at 445.77,271.297 h2.54
  text "1. UNLESS OTHERWISE SPECIFIED, DIMENSIONS, TOLERANCES, AND SURFACE TEXTURE APPLY" at -326.39,267.97 h5.08
  text ".Hist3Rev" at 319.675,266.164 h2.54
  text ".Hist3Desc" at 331.47,265.684 h2.54
  text ".Hist3Date" at 415.29,265.684 h2.54
  text ".Hist3Appr" at 445.77,265.684 h2.54
  text "AFTER PLATING OR CHEMICAL FILM TREATMENTS, AND PRIOR TO ORGANIC COATINGS." at -321.31,260.35 h5.08
  text "2. DIMENSIONING AND TOLERANCING PER ASME Y14.5M-1994" at -326.39,252.73 h5.08
  text "Layer" at 20.858,250.317 h0.76
  text "Name" at 26.217,250.317 h0.76
  text "Material" at 38.177,250.317 h0.76
  text "Thickness" at 49.248,250.317 h0.76
  text "Constant" at 57.654,250.317 h0.76
  text "Board Layer Stack" at 65.043,250.317 h0.76
  text "Board Layer Stack" at 79.416,250.317 h0.76
  text "Board Layer Stack" at 93.788,250.317 h0.76
  text "1" at 20.858,248.793 h0.76
  text "Top Overlay" at 26.217,248.793 h0.76
  text "2" at 20.858,247.269 h0.76
  text "Top Solder" at 26.217,247.269 h0.76
  text "Solder Resist" at 38.177,247.269 h0.76
  text "0.10mil" at 49.248,247.269 h0.76
  text "0" at 57.654,247.269 h0.76
  text "3" at 20.858,245.745 h0.76
  text "Top Layer" at 26.217,245.745 h0.76
  text "Copper" at 38.177,245.745 h0.76
  text "1.40mil" at 49.248,245.745 h0.76
  text "3. PARTS SHALL BE FREE OF BURRS AND SHARP EDGES. BREAK SHARP EDGES .005\" MAX" at -326.39,245.11 h5.08
  text "4" at 20.858,244.221 h0.76
  text "Prepeg" at 26.217,244.221 h0.76
  text "FR408" at 38.177,244.221 h0.76
  text "6.70mil" at 49.248,244.221 h0.76
  text "3.66" at 57.654,244.221 h0.76
  text "5" at 20.858,242.697 h0.76
  text "GND" at 26.217,242.697 h0.76
  text "Copper" at 38.177,242.697 h0.76
  text "0.70mil" at 49.248,242.697 h0.76
  text "6" at 20.858,241.173 h0.76
  text "Core" at 26.217,241.173 h0.76
  text "FR-4" at 38.177,241.173 h0.76
  text "47.00mil" at 49.248,241.173 h0.76
  text "3.66" at 57.654,241.173 h0.76
  text "7" at 20.858,239.649 h0.76
  text "PWR" at 26.217,239.649 h0.76
  text "Copper" at 38.177,239.649 h0.76
  text "0.70mil" at 49.248,239.649 h0.76
  text "8" at 20.858,238.125 h0.76
  text "Prepeg" at 26.217,238.125 h0.76
  text "FR408" at 38.177,238.125 h0.76
  text "6.70mil" at 49.248,238.125 h0.76
  text "3.66" at 57.654,238.125 h0.76
  text "4. UNLESS OTHERWISE SPECIFIED, BOARD SHALL MEET THE REQUIREMENTS OF IPC-6011" at -326.39,237.49 h5.08
  text "9" at 20.858,236.601 h0.76
  text "Bottom Layer" at 26.217,236.601 h0.76
  text "Copper" at 38.177,236.601 h0.76
  text "1.40mil" at 49.248,236.601 h0.76
  text "10" at 20.858,235.077 h0.76
  text "Bottom Solder" at 26.217,235.077 h0.76
  text "Solder Resist" at 38.177,235.077 h0.76
  text "0.10mil" at 49.248,235.077 h0.76
  text "0" at 57.654,235.077 h0.76
  text "11" at 20.858,233.553 h0.76
  text "Bottom Overlay" at 26.217,233.553 h0.76
  text "A" at -355.29,231.249 h5.08
  text "A" at 482.997,231.249 h5.08
  text "CLASS 2, AND IPC-6012, TYPE 2." at -321.31,229.87 h5.08
  text "5. MATERIAL: POLYCLAD 370HR OR EQUIVALENT IAW IPC-4101. THIS BOARD IS INTENDED FOR LEAD-FREE" at -326.39,222.25 h5.08
  text "ASSEMBLY (RoHS COMPLIANT). FLAMMABILITY RATING OF 94V-0 OR BETTER REQUIRED. BOARD MUST BE UL" at -321.31,214.63 h5.08
  text "RECOGNIZED AND VENDOR SHALL AFFIX UL LISTING DESIGNATION ON PRINTED CIRCUIT BOARD." at -321.31,207.01 h5.08
  text "A. BASE LAMINATE: WOVEN GLASS BASED EPOXY RESIN." at -321.31,199.39 h5.08
  text "SEE STACK DETAIL FOR COPPER WEIGHT, SUBSTRATES, AND FINISHED BOARD THICKNESS" at -314.96,191.77 h5.08
  text "B. BONDING AGENT: PREIMPREGNATED B-STAGE EPOXY CLOTH (GF)" at -321.31,184.15 h5.08
  text "C. FINISH TO BE DONE USING IMMERSION GOLD (ENIG) 3-6 MICROINCHES OVER NICKEL 100 MICROINCHES MIN." at -321.31,176.53 h5.08
  text "FULL BODY IMMERSION GOLD ACCEPTED." at -314.96,168.91 h5.08
  text "OVERALL HEIGHT = 0.xxx +/- 10%" at 13.589,163.074 h5.08
  text "D. SILKSCREEN TO BE DONE USING NON-CONDUCTIVE WHITE EPOXY INK. VENDOR MAY VIA CAP OR PLUG VIAS" at -321.31,161.29 h5.08
  text "TOP AND BOTTOM LAYER COPPER THICKNESS SPECIFIED AFTER PLATING" at 13.589,156.083 h5.08
  text "BEFORE FINAL SOLDERMASK TO AVOID TRIMMING OF SILKSCREEN. SILKSCREEN INK NOT ALLOWED ON ANY" at -314.96,153.67 h5.08
  text "EXPOSED ETCH. VENDOR TO DETERMINE BEST PROCESS TO ENSURE THIS." at -314.96,146.05 h5.08
  text "E. SOLDERMASK OVER BARE COPPER FOLLOWED BY PLATING PER LAYER STACKUP." at -321.31,138.43 h5.08
  text "SOLDERMASK IS TO BE FREE OF SHADED AREAS, AND IS TO BE BLACK, TYPE B1, CLASS 2, IAW IPC-SM-840." at -314.96,130.81 h5.08
  text "6. FINAL TRACES WIDTHS AND LAND SIZES REPRESENTED BY ARTWORK. THE FINAL" at -326.39,123.19 h5.08
  text "CONDUCTOR WIDTH SHALL BE +/- 0.001\" OF THE ORIGINAL ARTWORK TRACE. THE PCB" at -321.31,115.57 h5.08
  text "MANUFACTURER IS DIRECTED TO INFLATE FEATURES IN THE SUPPLIED GERBER FILES, AS" at -321.31,107.95 h5.08
  text "NECESSARY, TO COMPENSATE FOR THE ETCHBACK IN THE PCB MANUFACTURER'S PROCESS." at -321.31,100.33 h5.08
  text "7. MANUFACTURER TO INSERT COMPANY LOGO AND DATE CODE IN BOTTOM SILKSCREEN," at -327.025,92.71 h5.08
  text "B" at -355.34,91.39 h5.08
  text "B" at 482.947,91.39 h5.08
  text "USING PREFERRED METHOD (NON-CONDUCTIVE)." at -321.31,85.09 h5.08
  text "8. UNLESS OTHERWISE SPECIFIED:" at -327.025,77.47 h5.08
  text "A. ALL HOLES TO BE CONCENTRIC WITH PAD CENTER WITHIN +/- 0.005\"." at -321.31,69.85 h5.08
  text "B. ALL HOLE DIAMETERS TO BE WITHIN +/- 0.003\" OF SPECIFIED DIAMETER." at -321.31,62.23 h5.08
  text "C. PLATED THROUGH HOLE DIAMETERS SPECIFIED AFTER PLATING." at -321.31,54.61 h5.08
  text "9. FABRICATE AND TEST BOARD, TYPE 2, CLASS 1, LEVEL A, PER IPC-D-275. VENDOR MUST USE IPC D 356 NETLIST" at -326.39,46.99 h5.08
  text "PROVIDED PRIOR TO BOARD FABRICATION AND REPORT ANY DISCREPANCIES WHEN COMPARED WITH THE GERBERS." at -321.31,39.37 h5.08
  text "10. INFORMATION IN PARENTHESIS IS FOR REFERENCE ONLY." at -326.39,31.75 h5.08
  text "11. VENDOR IS ALLOWED TO DO THE FOLLOWING:" at -326.39,24.13 h5.08
  text "A. FOLLOW BOARD OUTLINE FOR SIZE OF BOARD." at -321.31,16.51 h5.08
  text "B. REMOVE INTERNAL NON FUNCTIONAL PADS." at -321.31,8.89 h5.08
  text "C. ADD TEAR DROPPING" at -321.31,1.27 h5.08
  text "D. REMOVE SOLDERMASK SLIVERS LESS THAN 0.003 TO ENHANCE PRODUCABILITY." at -321.31,-6.35 h5.08
  text "E. FILL VIAS IN PAD WITH EPOXY IF NECESSARY (VIPPO)." at -321.31,-13.97 h5.08
  text "F. MODIFY DIELECTRIC THICKNESS BETWEEN LAYERS, WHILE MAINTAINING TOTAL BOARD THICKNESS." at -321.31,-21.59 h5.08
  text "12. VENDOR IS ALLOWED TO MODIFY TRACE WIDTH/GAP TO MAINTAIN CONTROLLED IMPEDANCES:" at -326.39,-29.21 h5.08
  text "A. xxx" at -321.31,-36.83 h5.08
  text "B. xx" at -321.31,-44.45 h5.08
  text "C" at -354.755,-48.084 h5.08
  text "C" at 483.531,-48.084 h5.08
  text "DFTG" at 255.27,-175.796 h2.54
  text ".NameDftg" at 268.478,-175.796 h2.54
  text ".DateDftg" at 308.102,-175.796 h2.54
  text "UNLESS OTHERWISE SPECIFIED," at 200.406,-180.114 h2.03
  text "MATERIAL:" at 137.236,-180.34 h2.54
  text "ENG" at 255.27,-182.4 h2.54
  text ".NameEng" at 268.478,-182.4 h2.54
  text ".DateEng" at 308.102,-182.4 h2.54
  text "INCHES" at 236.474,-183.642 h2.03
  text "DIMENSIONS ARE IN" at 200.406,-183.67 h2.03
  text "D" at -355.008,-187.783 h5.08
  text "D" at 483.279,-187.783 h5.08
  text "MECH" at 255.27,-187.988 h2.54
  text "*" at 268.478,-188.496 h2.54
  text "*" at 308.102,-188.496 h2.54
  text "TITLE:" at 347.08,-190.528 h2.54
  text "TOLERANCES:" at 200.406,-191.544 h2.54
  text "SEE NOTES" at 139.065,-193.548 h2.54
  text "MFG" at 255.27,-194.592 h2.54
  text "*" at 268.478,-194.592 h2.54
  text "*" at 308.102,-195.1 h2.54
  text ".X +/- 0.1" at 201.422,-196.111 h2.54
  text ".XX +/- 0.01" at 201.422,-199.159 h2.54
  text ".TitlePCB" at 353.568,-199.39 h5.59
  text ".XXX +/- 0.005" at 201.422,-202.207 h2.54
  text ".Title0" at 393.05,-209.2 h5.59
  text "THIRD ANGLE PROJECTION" at 138.684,-213.766 h2.54
  text "ALL SHEETS ARE THE" at 204.978,-217.864 h2.54
  text ".Title1" at 350.52,-218.44 h5.59
  text "SAME REVISION STATUS" at 202.629,-222.436 h2.54
  text "SIZE" at 347.218,-225.58 h2.54
  text "DRAWING NUMBER" at 356.87,-225.58 h2.54
  text "REV" at 463.942,-227.131 h3.05
  text "D" at 347.26,-233.421 h5.08
  text ".DocNumberPCB" at 356.87,-233.68 h6.6
  text ".Rev" at 463.55,-233.68 h5.08
  text "1" at 448.31,-238.76 h2.54
  text "1" at 463.55,-238.76 h2.54
  text "1:1" at 360.68,-239.014 h2.54
  text "SCALE" at 346.654,-239.189 h2.54
  text "SHEET   OF" at 432.561,-239.404 h2.54
  text "8" at 440.436,-249.936 h5.08
  text "1" at -313.055,-250.19 h5.08
  text "2" at -205.493,-251.184 h5.08
  text "4" at 10.58,-251.184 h5.08
  text "3" at -97.499,-251.343 h5.08
  text "5" at 118.579,-251.343 h5.08
  text "6" at 226.526,-251.343 h5.08
  text "7" at 334.5,-251.343 h5.08
PCB_SHEET2:
  lines w0.198: -336.412,281.438 -176.697,281.438 ; -336.412,286.518 -176.697,286.518 ; -303.316,281.565 -303.311,292.103 ; -270.677,281.057 -270.677,292.106 ; -189.397,275.723 -189.397,292.106 ; -361.95,-253.797 -361.95,304.806 ; -361.95,-253.797 501.483,-253.797 ; -361.95,-253.797 501.483,-253.797 ; -361.95,-253.797 -361.95,304.806 ; -361.95,304.806 501.483,304.806 ; -361.95,304.806 501.483,304.806 ; 501.483,-253.797 501.483,304.806 ; 501.483,-253.797 501.483,304.806
  lines w0.599: -355.782,-107.947 -336.732,-107.947 ; -355.782,165.102 -336.732,165.102 ; -336.732,292.101 -336.732,-241.297 ; -336.732,-222.247 -206.684,-222.247 ; -321.721,-234.947 -321.721,-222.247 ; -292.282,-241.297 -292.282,-234.947 ; -254.182,-250.822 -254.182,-241.297 ; -206.685,-241.167 -206.685,-222.628 ; -176.819,275.088 -176.819,292.103 ; -146.233,-250.822 -146.233,-241.297 ; -146.233,292.101 -146.233,301.626 ; -38.283,-250.822 -38.283,-241.297 ; -38.283,292.101 -38.283,301.626 ; 177.617,-250.822 177.617,-241.297 ; 177.617,292.101 177.617,301.626 ; 285.567,-250.822 285.567,-241.297 ; 393.516,-250.822 393.516,-241.297 ; 393.516,292.101 393.516,301.626 ; 476.066,165.102 495.116,165.102 ; 476.066,292.103 -336.745,292.103 ; 476.701,-107.947 495.751,-107.947 ; -336.745,292.103 -336.745,271.626 -336.745,292.103 ; -336.732,-241.297 476.066,-241.297 ; -336.732,-241.297 476.066,-241.297 ; -336.732,-241.297 476.066,-241.297 ; -336.732,-241.297 476.066,-241.297 ; -336.732,-234.947 -206.684,-234.947 ; -336.732,-234.947 -206.684,-234.947 ; -336.732,-234.947 -206.684,-234.947 ; -336.732,-234.947 -206.684,-234.947 ; -264.342,292.101 -264.342,301.753 ; -264.342,292.101 -264.342,301.753 ; -264.342,292.101 -264.342,301.753 ; -264.342,292.101 -264.342,301.753 ; -264.342,292.101 -264.342,301.753 ; -264.342,292.101 -264.342,301.753 ; -264.342,292.101 -264.342,301.753 ; -264.342,292.101 -264.342,301.753 ; -264.342,301.753 -176.799,301.753 ; -264.342,301.753 -181.792,301.753 -264.342,301.753 ; -264.342,301.753 -176.799,301.753 ; -251.642,292.101 -251.642,301.753 ; -251.642,292.101 -251.642,301.753 ; -251.642,292.101 -251.642,301.753 ; -251.642,292.101 -251.642,301.753 ; -176.799,301.753 -176.799,292.101 -176.799,301.753 ; 285.567,292.101 285.567,301.626 ; 285.567,292.101 285.567,301.626 ; 285.567,292.101 285.567,301.626 ; 285.567,292.101 285.567,301.626 ; 476.066,-241.297 476.066,284.278 476.066,-241.297 ; 476.066,-241.297 476.066,292.101 ; 476.066,-241.297 476.066,292.101 ; 476.066,-241.297 476.066,292.101 ; -346.892,24.64 -346.892,26.164 -341.812,26.164 -341.812,27.942 -336.732,25.402 -341.812,22.862 -341.812,24.64 -346.892,24.64 ; 67.127,-246.377 69.667,-241.297 72.207,-246.377 70.429,-246.377 70.429,-251.457 68.905,-251.457 68.905,-246.377 67.127,-246.377 ; 67.127,297.181 69.667,292.101 72.207,297.181 70.429,297.181 70.429,302.26 68.905,302.26 68.905,297.181 67.127,297.181 ; 476.066,25.402 481.146,22.862 481.146,24.64 486.226,24.64 486.226,26.164 481.146,26.164 481.146,27.942 476.066,25.402
  text "SH" at -252.47,298.663 h2.54
  text "DWG NO" at -177.318,298.248 h2.54
  text ".DocNumberPCB" at -193.969,295.408 h3.05
  text "8" at -295.405,294.92 h5.08
  text "4" at 128.953,294.92 h5.08
  text "2" at 345.026,294.92 h5.08
  text "6" at -86.993,294.76 h5.08
  text "5" at 20.954,294.76 h5.08
  text "3" at 237.032,294.76 h5.08
  text "3" at 237.032,294.76 h5.08
  text "1" at 452.754,294.76 h5.08
  text "1" at -257.469,294.392 h3.05
  text "REVISION HISTORY" at -203.621,288.013 h2.54
  text "APPROVED" at -313.857,281.946 h2.54
  text "DATE" at -283.377,281.946 h2.54
  text "DESCRIPTION" at -224.957,281.946 h2.54
  text "REV" at -179.237,281.946 h2.54
  text "SEE SHEET 1" at -191.937,276.866 h2.54
  text "A" at -343.464,231.255 h5.08
  text "A" at 494.823,231.255 h5.08
  text "B" at -343.414,91.395 h5.08
  text "B" at 494.873,91.395 h5.08
  text "C" at -343.998,-48.078 h5.08
  text "C" at 494.288,-48.078 h5.08
  text "Scale  6:1" at 330.673,-135.04 h12.7
  text "D" at -343.746,-187.777 h5.08
  text "D" at 494.541,-187.777 h5.08
  text "REV" at -324.409,-227.125 h3.05
  text ".DocNumberPCB" at -212.892,-232.404 h5.08
  text ".Rev" at -324.017,-233.674 h5.08
  text "2" at -324.017,-238.754 h2.54
  text "SHEET 2 OF" at -293.028,-239.398 h2.54
  text "8" at -300.903,-249.93 h5.08
  text "1" at 452.755,-250.184 h5.08
  text "4" at 128.953,-251.178 h5.08
  text "2" at 345.026,-251.178 h5.08
  text "7" at -194.967,-251.338 h5.08
  text "6" at -86.993,-251.338 h5.08
  text "5" at 20.954,-251.338 h5.08
  text "3" at 237.032,-251.338 h5.08

## Dimensions
198.12,76.206 to 179.705,172.72 on ASSY_TOP
202.565,79.381 to 181.61,162.566 on ASSY_TOP

## Text inside footprints (layer, text, board x,y; h text height)
J1: Mechanical 13 "PCB EDGE" at 0.142,19.975 h0.41 r270